# Altium PCB PCB1.PcbDoc
Units mil, origin at the board's own origin, x right, y up, seen from the top; angles counter-clockwise.
Board outline 3220 x 2380 mil, 2 copper layers (Top Layer, Bottom Layer); 61 components, 39 nets, 231 pads, 61 vias.
Unrouted connection lines stored in the file: 2.
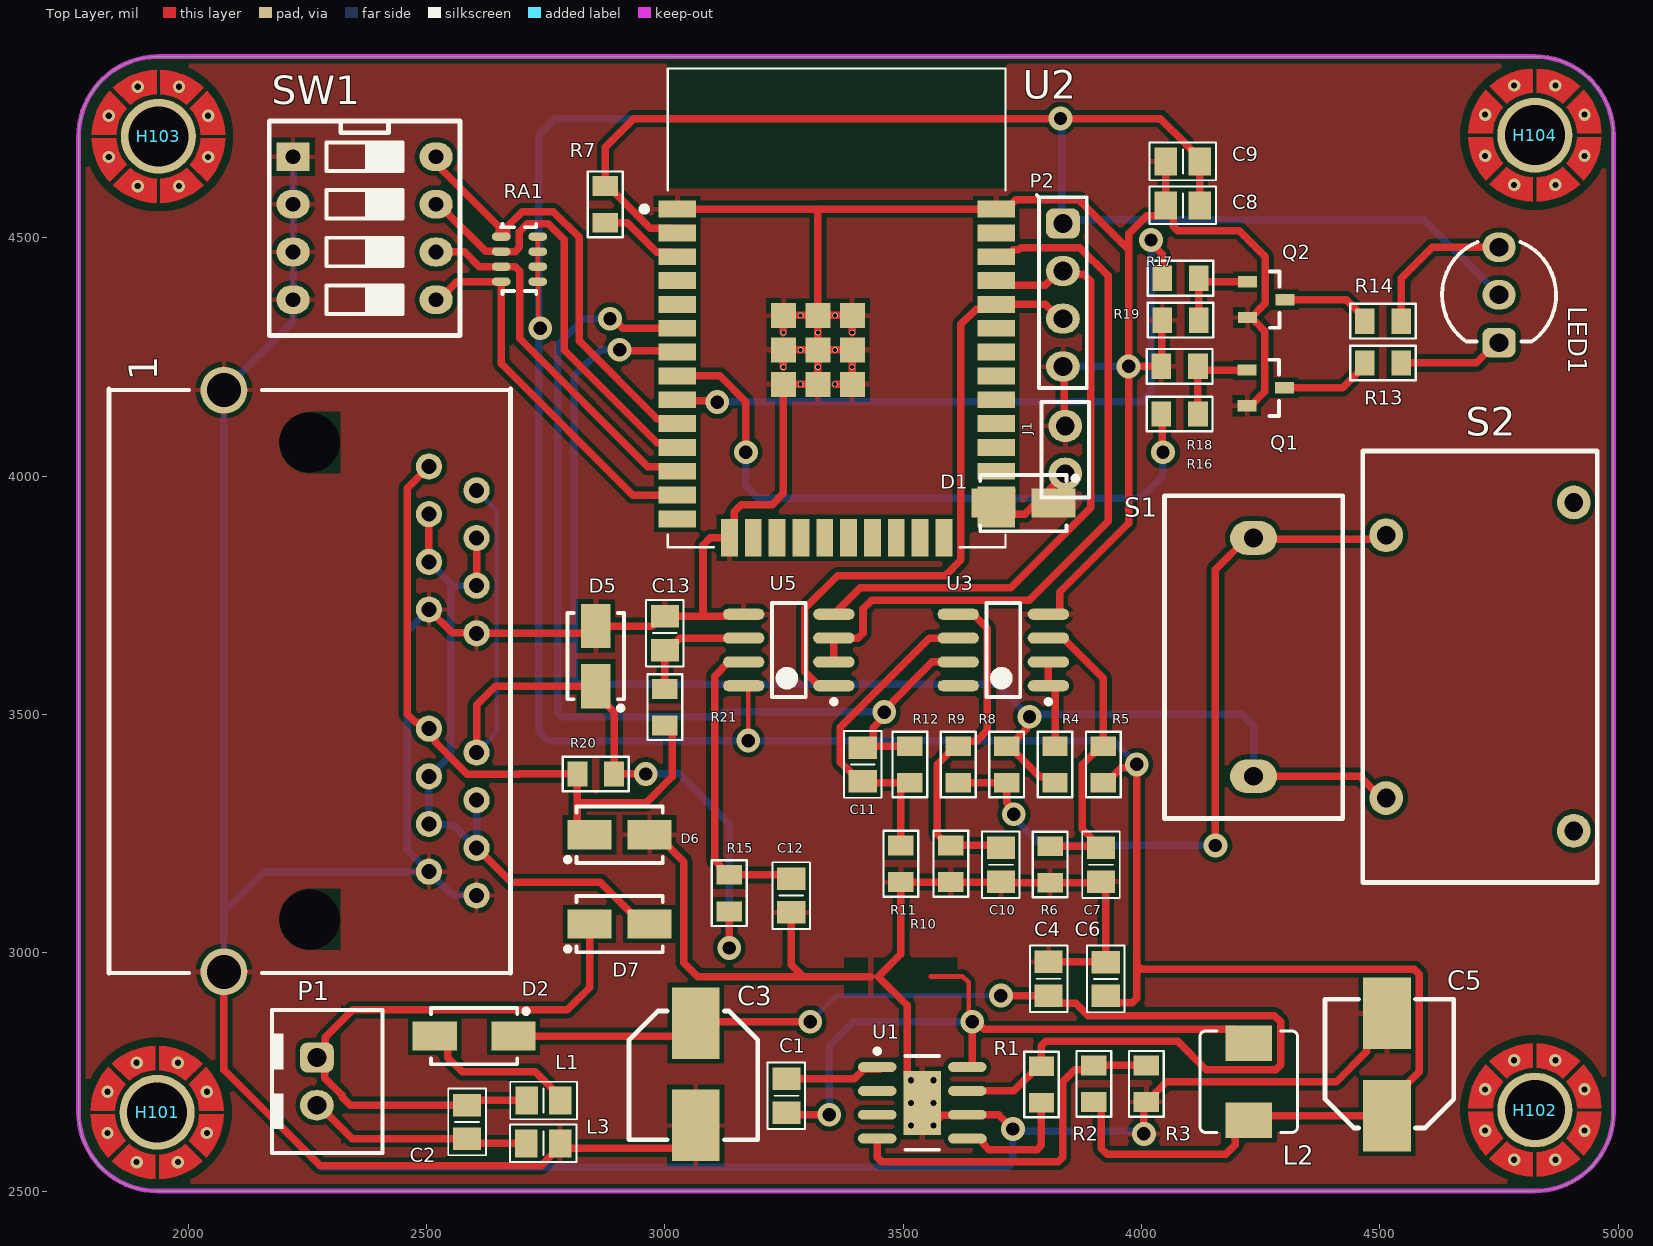
[diagram p0: Top Layer view]
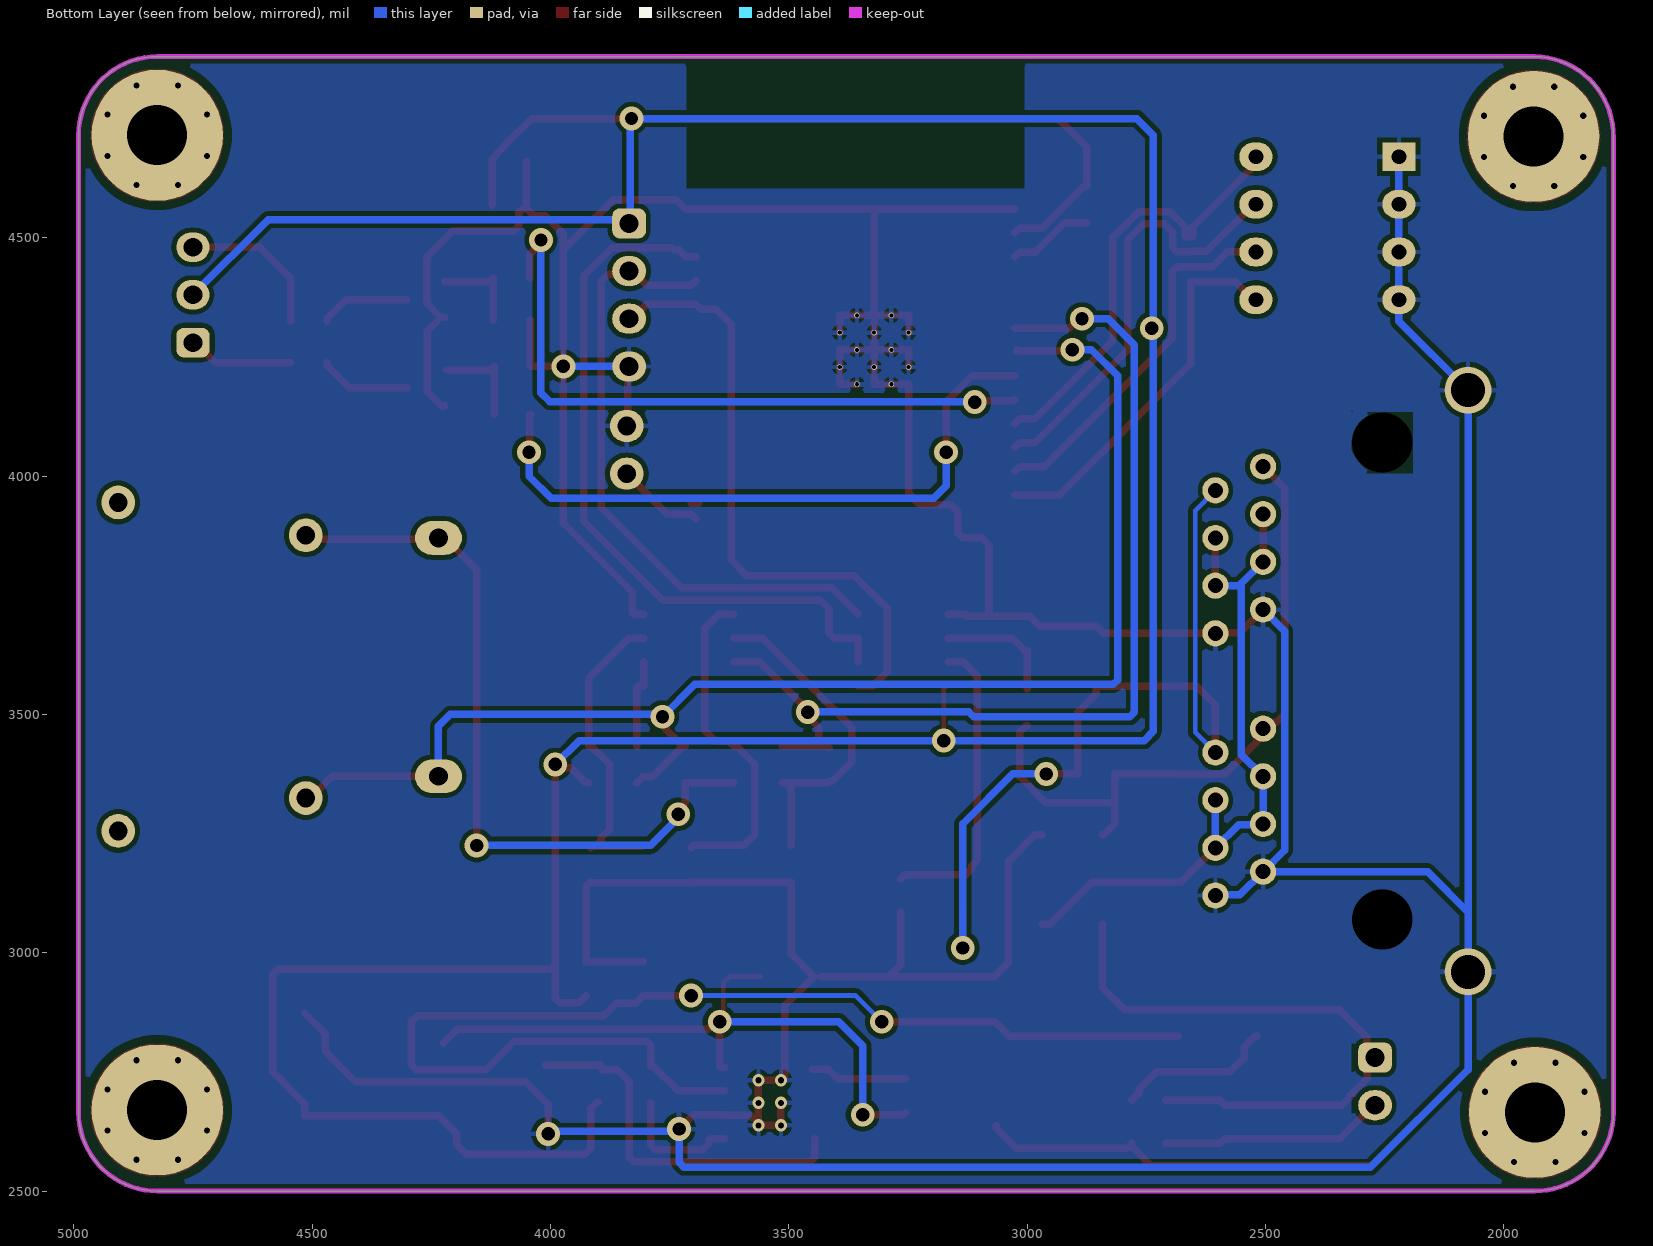
[diagram p1: Bottom Layer view, seen from below]

## Layer stack, top to bottom
Top Solder: solder mask 0.4, Solder Resist, Dk 3.5
Top Layer: signal copper 0.3543
Dielectric 1: dielectric 12.6, FR-4, Dk 4.8
Bottom Layer: signal copper 0.3543
Bottom Solder: solder mask 0.4, Solder Resist, Dk 3.5

## Board outline
1770,2665 1770,4710 cw(c1937.5,4712.5) 1935,4880 4825,4880 cw(c4825,4715) 4990,4715 4990,2665 cw(c4825,2665) 4825,2500 1935,2500 cw(c1935,2665)

## Design rules (kind name [scope] priority, off if disabled: settings)
Clearance [All] p1: gap=10 ignorepadtopadclearanceinfootprint=FALSE except(0: Arc-Hole Track-Hole SMDPad-Hole THPad-Hole Via-Hole Fill-Hole Poly-Hole Region-Hole Text-Hole)
ComponentClearance [InComponent('H*') OR InComponent('S1')] p1: gap=0 collisioncheckmode=3 verticalgap=0 showdistances=FALSE
Height [All] p1: minheight=0 maxheight=1181.1 prefheight=500
HoleSize [All] p1: absolutevalues=TRUE maxlimit=150 minlimit=1 maxpercent=80.000 minpercent=20.000
MinimumSolderMaskSliver [All] p1: minsoldermaskwidth=5
PolygonConnect [All] p1: connectstyle=Relief reliefconductorwidth=10 reliefentries=4 polygonreliefangle="90 Angle" airgapwidth=10
RoutingVias [All] p1: holewidth=28 width=50 viastyle="Through Hole" minholewidth=28 minwidth=50 maxholewidth=28 maxwidth=50
SilkToSolderMaskClearance [IsPad] p1: minsilkscreentomaskgap=5 clearancetoexposedcopper=TRUE
SolderMaskExpansion [All] p1: expansion=4 istentingtop=FALSE
SupplyNets "Schematic Supply Nets_5" [InNet('PGND')] p1: voltage=0.000
SupplyNets "Schematic Supply Nets_4" [InNet('VIN')] p2: voltage=0.000
SupplyNets "Schematic Supply Nets_3" [InNet('RS485_5V')] p3: voltage=0.000
SupplyNets "Schematic Supply Nets_2" [InNet('GND')] p4: voltage=0.000
SupplyNets "Schematic Supply Nets_1" [InNet('3V3')] p5: voltage=0.000
SupplyNets "Schematic Supply Nets" [InNet('VIN_FIL')] p6: voltage=0.000
Width [All] p1: maxlimit=78.74 minlimit=7.87 preferedwidth=15.75 minimp=50.000000 maximp=50.000000 favimp=50.000000
25 further rules are at their usual default settings.

## Components (designator, comment, footprint, x,y, rotation, side; value= is the part's Value field where it differs from the comment)
1 "RJ45 x2" CONN/RJ45/x2 2255,3570 r270 top
C1 "10nF" "C 0805" 3255,2700 r270 top
C2 "1uF" "C 0805" 2585,2645 r270 top
C3 "100uF/35V" "C SMD ALU (D8)" 3065,2745 r270 top
C4 "0.1uF" "C 0805" 3805,2945.43 r90 top
C5 "220uF/16V" "C SMD ALU (D8)" 4515,2765 r90 top
C6 "C" "C 0805" 3925,2945 r90 top
C7 "C" "C 0805" 3915,3184.57 r270 top
C8 "0.1uF" "C 0805" 4086.61,4567.75 r180 top
C9 "22uF" "C 0805" 4086.61,4660 r180 top
C10 "100pF" "C 0805" 3705,3184.57 r270 top
C11 "100pF" "C 0805" 3415,3395 r90 top
C12 "N/A" "C 0805" 3265,3120 r90 top
C13 "N/A" "C 0805" 3000,3670.43 r90 top
D1 "SS34" "DO-214AC (SMA)" 3752.24,3943.02 r0 top
D2 "SS34" "DO-214AC (SMA) L" 2600,2825 r0 top
D5 "" "DO-214AC (SMA)" 2855,3622.01 r270 top
D6 "Diode Zener" "DO-214AC (SMA)" 2905,3247.5 r180 top
D7 "SS14" "DO-214AC (SMA)" 2905,3060 r180 top
H101 "Screw Hole" SCREW/3.2/7.0/M 1935,2665 r0 top
H102 "Screw Hole" SCREW/3.2/7.0/M 4825,2670 r0 top
H103 "Screw Hole" SCREW/3.2/7.0/M 1937.5,4712.5 r0 top
H104 "Screw Hole" SCREW/3.2/7.0/M 4825,4715 r0 top
J1 "JUMP 2" JUMP/2/Close 3840,4105 r270 top
L1 "FB" "L 0805 (2012)" 2745.43,2690 r0 top
L2 "15uH" IND_MWSA0518_525418 4225,2729.29 r270 top
L3 "FB" "L 0805 (2012)" 2745,2600 r0 top
LED1 "Led 3pin 2color" "LED 3PIN 2COLOR 5MM" 4750,4280 r270 top
P1 "Header 2" HDR/Header/2/BOX 2270,2730 r0 top
P2 "Header 4" HDR/Header/4 3835,4380 r270 top
Q1 "MMBT3904LT1G" SOT-23 4260.63,4185 r0 top
Q2 "MMBT3904LT1G" SOT-23 4261.61,4370 r0 top
R1 "N/A" "R 0805" 3790,2723.39 r270 top
R2 "10.0k" "R 0805" 3900,2725 r270 top
R3 "5.9k" "R 0805" 4010,2725 r90 top
R4 "1k" "R 0805" 3818.52,3395 r90 top
R5 "1k" "R 0805" 3920,3395 r270 top
R6 "1k" "R 0805" 3808.18,3185 r90 top
R7 "10k" "R 0805" 2875,4570 r90 top
R8 "100" "R 0805" 3717.03,3395 r270 top
R9 "1k" "R 0805" 3615.55,3395 r90 top
R10 "1k" "R 0805" 3600,3186.61 r270 top
R11 "1k" "R 0805" 3495,3186.61 r270 top
R12 "1k" "R 0805" 3514.06,3395 r270 top
R13 "330R" "R 0805" 4506.61,4237.15 r180 top
R14 "330R" "R 0805" 4506.61,4325 r180 top
R15 "10" "R 0805" 3135,3125 r270 top
R16 "330R" "R 0805" 4080,4130 r0 top
R17 "330R" "R 0805" 4081.61,4415 r0 top
R18 "330R" "R 0805" 4080,4230 r180 top
R19 "330R" "R 0805" 4081.61,4327.15 r180 top
R20 "120" "R 0805" 2855,3375 r0 top
R21 "10" "R 0805" 3000,3515 r270 top
RA1 "R Array" "RA4 1206 (3216)" 2695,4455 r0 top
S1 "TA12" TA12 4235,3620 r270 top
S2 "TA17" TA17 4710,3600 r270 top
SW1 "SW DIP-4" SW/DIP4 2220,4670 r270 top
U1 "TPS54xx" "SOIC-8 EP" 3540,2685 r0 top
U2 "ESP32-WROOM-32" MODULE_ESP32-WROOM-32 3360.35,4352.91 r0 top
U3 "LM358" SOIC-8 3710,3635 r180 top
U5 "MAX3485" SOIC-8 3260,3635 r180 top

## Footprints (in the part's own frame and the unit in brackets; to place one, negate y for a bottom-side part, rotate by r counter-clockwise, add the part's x,y. Pads: shape width x height; smd on the part's side, far side on the other; paste and mask are expansions set on the pad)
"C 0805" [mm] "Chip Capacitor, 2-Leads, Body 2.0x1.3mm, IPC Medium Density"
  rect 1.2x1.5 smd: 1(-0.9,0) 2(0.9,0)
  silkscreen extent -1.78,-1 1.78,1, body extent -1,-0.64 1,0.61, height 0.6
"C SMD ALU (D8)" [mil] "SMD Aluminum Electrolytic Capacitor, size D8 (6.3 x 7.7 mm)"
  rect 150x100 smd: 1(-107.5,0) 2(107.5,0)
  silkscreen extent -132,-140 138,130, body extent -138,-135 138,125, height 303
CONN/RJ45/x2 [mm]
  round 1.4 hole 0.8: 1(-11.43,6.35) 2(-10.16,8.89) 3(-8.89,6.35) 4(-7.62,8.89) 5(-6.35,6.35) 6(-5.08,8.89) 7(-3.81,6.35) 8(-2.54,8.89) 11(2.54,6.35) 12(3.81,8.89) 13(5.08,6.35) 14(6.35,8.89) 15(7.62,6.35) 16(8.89,8.89) 17(10.16,6.35) 18(11.43,8.89)
  round 2.5 hole 1.8: 9(-15.5,-4.57) 10(15.5,-4.57)
  round 0 hole 3.2 unplated: HOLE(-12.7,0) HOLE(12.7,0)
  silkscreen extent -15.56,-10.7 15.56,10.7, body extent -15.5,-10.7 15.56,10.7, height 13.46
"DO-214AC (SMA)" [mm] "Molded Diode, 2-Leads, Body 4.3x2.7mm, IPC Medium Density"
  rect 2.35x1.55 smd: 1(-1.6,0) 2(1.6,0)
  silkscreen extent -2.3,-1.5 2.89,1.5, body extent -2.6,-1.3 2.6,1.3, height 2.4
"DO-214AC (SMA) L" [mm] "Molded Diode, 2-Leads, Body 4.3x2.7mm, IPC Medium Density"
  rect 2.35x1.55 smd: 1(-2.1,0) 2(2.1,0)
  silkscreen extent -2.3,-1.5 2.89,1.5, body extent -2.6,-1.3 2.6,1.3, height 2.4
HDR/Header/2/BOX [mm]
  rrect50% 1.8x1.6 hole 1: 1(0,1.27)
  oval 1.8x1.6 hole 1: 2(0,-1.27)
  silkscreen extent -2.41,-3.81 3.5,3.81, body extent -2.35,-3.7 3.4,3.7, height 7
HDR/Header/4 [mm]
  rrect50% 1.6x1.8 hole 1: 1(-3.81,0)
  oval 1.6x1.8 hole 1: 2(-1.27,0) 3(1.27,0) 4(3.81,0)
  silkscreen extent -5.33,-1.4 4.95,1.27, body extent -5.08,-1.27 5.08,1.27, height 8.89
IND_MWSA0518_525418 [mm]
  rect 1.9x2.5 smd paste+0 mask+0: 1(-2.05,0) 2(2.05,0)
  Top Layer pour cut-out: -2.7,2.6 2.7,2.6 2.7,-2.6 -2.7,-2.6
  silkscreen extent -2.7,-2.6 2.7,2.6, body extent -2.7,-2.6 2.7,2.6, height 1.8
JUMP/2/Close [mm]
  oval 1.7x1.8 hole 1: 1(0,0) 2(2.54,0)
  silkscreen extent -1.27,-1.27 3.81,1.27, body extent -1.27,-1.27 3.81,1.27, height 8.89
"L 0805 (2012)" [mm] "Chip Capacitor, 2-Leads, Body 2.0x1.3mm, IPC Medium Density"
  rect 1.2x1.5 smd: 1(-0.9,0) 2(0.9,0)
  silkscreen extent -1.78,-1 1.78,1, body extent -1,-0.6 1,0.6, height 0.95
"LED 3PIN 2COLOR 5MM" [mil]
  rrect50% 62x70 hole 39: 1(0,0)
  oval 62x70 hole 39: 2(-100,0) 3(-200,0)
  silkscreen extent -211,-120 -2,120, body extent -218,-118 -2,118, height 335
MODULE_ESP32-WROOM-32 [mm]
  rect 2x0.9 smd: 1(-8.5,5.26) 2(-8.5,3.99) 3(-8.5,2.72) 4(-8.5,1.45) 5(-8.5,0.18) 6(-8.5,-1.09) 7(-8.5,-2.36) 8(-8.5,-3.63) 9(-8.5,-4.9) 10(-8.5,-6.17) 11(-8.5,-7.44) 12(-8.5,-8.71) 13(-8.5,-9.98) 14(-8.5,-11.25) 25(8.5,-11.25) 26(8.5,-9.98) 27(8.5,-8.71) 28(8.5,-7.44) 29(8.5,-6.17) 30(8.5,-4.9) 31(8.5,-3.63) 32(8.5,-2.36) 33(8.5,-1.09) 34(8.5,0.18) 35(8.5,1.45) 36(8.5,2.72) 37(8.5,3.99) 38(8.5,5.26)
  rect 0.9x2 smd: 15(-5.715,-12.25) 16(-4.445,-12.25) 17(-3.175,-12.25) 18(-1.905,-12.25) 19(-0.635,-12.25) 20(0.635,-12.25) 21(1.905,-12.25) 22(3.175,-12.25) 23(4.445,-12.25) 24(5.715,-12.25)
  rect 1.33x1.33 smd: 39(-2.835,-4.075) 39(-2.835,-2.24) 39(-2.835,-0.405) 39(-1,-4.075) 39(-1,-2.24) 39(-1,-0.405) 39(0.835,-4.075) 39(0.835,-2.24) 39(0.835,-0.405)
  round 0.3 hole 0.221: 39(-2.835,-3.157) 39(-2.835,-1.322) 39(-1.917,-4.075) 39(-1.917,-2.24) 39(-1.917,-0.405) 39(-1,-3.157) 39(-1,-1.322) 39(-0.082,-4.075) 39(-0.082,-2.24) 39(-0.082,-0.405) 39(0.835,-3.157) 39(0.835,-1.322)
  Top Layer pour cut-out: -9.017,12.827 -9.017,6.35 9.017,6.35 9.017,12.827
  Bottom Layer pour cut-out: -9.017,12.827 -9.017,6.35 9.017,6.35 9.017,12.827
  silkscreen extent -10.4,-12.75 9,12.75, body extent -9,-12.75 9,12.75, height 2.91
"R 0805" [mm] "Chip Resistor, 2-Leads, Body 2.0x1.3mm, IPC Medium Density"
  rect 1.05x1.35 smd: 1(-0.975,0) 2(0.975,0)
  silkscreen extent -1.75,-0.92 1.75,0.92, body extent -1,-0.61 1,0.59, height 0.5
"RA4 1206 (3216)" [mm] "Resistor Array x4 1206 (4D03)"
  oval 1x0.45 smd: 1(-0.975,1.2) 2(-0.975,0.4) 3(-0.975,-0.4) 4(-0.975,-1.2) 5(0.975,-1.2) 6(0.975,-0.4) 7(0.975,0.4) 8(0.975,1.2)
  silkscreen extent -0.99,-1.88 0.9,1.88, body extent -0.8,-1.6 0.8,1.6, height 0.5
SCREW/3.2/7.0/M [mm]
  round 4 / inner round 7 / far side round 7 hole 3.2: 1(0,0)
  Top Layer pour cut-out: -4,0 -3.696,1.531 -2.828,2.828 -1.531,3.695 0,4 0,4 1.531,3.695 2.828,2.828 3.695,1.531 4,0 4,0 3.696,-1.531 2.828,-2.828 1.531,-3.696 0,-4 0,-4 -1.531,-3.696 -2.828,-2.828 -3.696,-1.531 -4,0
  Top Layer region: -0.1,-2.25 -0.325,-2.225 -0.575,-2.175 -0.8,-2.1 -0.975,-2.025 -1.125,-1.95 -1.25,-1.875 -1.375,-1.775 -1.5,-1.675 -2.425,-2.6 -2.225,-2.775 -2.025,-2.925 -1.825,-3.05 -1.6,-3.175 -1.375,-3.275 -1.175,-3.35 -0.95,-3.425 -0.725,-3.475 -0.6,-3.5 -0.45,-3.525 -0.1,-3.55
  Top Layer region: 0.1,-2.25 0.325,-2.225 0.575,-2.175 0.8,-2.1 0.975,-2.025 1.125,-1.95 1.25,-1.875 1.375,-1.775 1.5,-1.675 2.425,-2.6 2.225,-2.775 2.025,-2.925 1.825,-3.05 1.6,-3.175 1.375,-3.275 1.175,-3.35 0.95,-3.425 0.725,-3.475 0.6,-3.5 0.45,-3.525 0.1,-3.55
  Top Layer region: 2.25,0.1 2.225,0.325 2.175,0.575 2.1,0.8 2.025,0.975 1.95,1.125 1.875,1.25 1.775,1.375 1.675,1.5 2.6,2.425 2.775,2.225 2.925,2.025 3.05,1.825 3.175,1.6 3.275,1.375 3.35,1.175 3.425,0.95 3.475,0.725 3.5,0.6 3.525,0.45 3.55,0.1
  Top Layer region: 2.25,-0.1 2.225,-0.325 2.175,-0.575 2.1,-0.8 2.025,-0.975 1.95,-1.125 1.875,-1.25 1.775,-1.375 1.675,-1.5 2.6,-2.425 2.775,-2.225 2.925,-2.025 3.05,-1.825 3.175,-1.6 3.275,-1.375 3.35,-1.175 3.425,-0.95 3.475,-0.725 3.5,-0.6 3.525,-0.45 3.55,-0.1
  Top Layer region: 0.1,2.25 0.325,2.225 0.575,2.175 0.8,2.1 0.975,2.025 1.125,1.95 1.25,1.875 1.375,1.775 1.5,1.675 2.425,2.6 2.225,2.775 2.025,2.925 1.825,3.05 1.6,3.175 1.375,3.275 1.175,3.35 0.95,3.425 0.725,3.475 0.6,3.5 0.45,3.525 0.1,3.55
  Top Layer region: -0.1,2.25 -0.325,2.225 -0.575,2.175 -0.8,2.1 -0.975,2.025 -1.125,1.95 -1.25,1.875 -1.375,1.775 -1.5,1.675 -2.425,2.6 -2.225,2.775 -2.025,2.925 -1.825,3.05 -1.6,3.175 -1.375,3.275 -1.175,3.35 -0.95,3.425 -0.725,3.475 -0.6,3.5 -0.45,3.525 -0.1,3.55
  Top Layer region: -2.25,-0.1 -2.225,-0.325 -2.175,-0.575 -2.1,-0.8 -2.025,-0.975 -1.95,-1.125 -1.875,-1.25 -1.775,-1.375 -1.675,-1.5 -2.6,-2.425 -2.775,-2.225 -2.925,-2.025 -3.05,-1.825 -3.175,-1.6 -3.275,-1.375 -3.35,-1.175 -3.425,-0.95 -3.475,-0.725 -3.5,-0.6 -3.525,-0.45 -3.55,-0.1
  Top Layer region: -2.25,0.1 -2.225,0.325 -2.175,0.575 -2.1,0.8 -2.025,0.975 -1.95,1.125 -1.875,1.25 -1.775,1.375 -1.675,1.5 -2.6,2.425 -2.775,2.225 -2.925,2.025 -3.05,1.825 -3.175,1.6 -3.275,1.375 -3.35,1.175 -3.425,0.95 -3.475,0.725 -3.5,0.6 -3.525,0.45 -3.55,0.1
  Bottom Layer pour cut-out: -4,0 -3.696,1.531 -2.828,2.828 -1.531,3.695 0,4 0,4 1.531,3.695 2.828,2.828 3.695,1.531 4,0 4,0 3.696,-1.531 2.828,-2.828 1.531,-3.696 0,-4 0,-4 -1.531,-3.696 -2.828,-2.828 -3.696,-1.531 -4,0
SOIC-8 [mm] "SOIC, 8-Leads, Body 5.0x4.0mm (max), Pitch 1.27mm, IPC Medium Density"
  oval 2.2x0.6 smd: 1(-2.4,1.905) 2(-2.4,0.635) 3(-2.4,-0.635) 4(-2.4,-1.905) 5(2.4,-1.905) 6(2.4,-0.635) 7(2.4,0.635) 8(2.4,1.905)
  silkscreen extent -2.53,-2.5 0.9,2.88, body extent -3,-2.49 3,2.41, height 1.75
"SOIC-8 EP" [mm] "SOIC, 8-Leads, Body 5.0x4.0mm (max), Pitch 1.27mm, IPC Medium Density"
  oval 2.048x0.524 smd: 1(-2.4,1.905) 2(-2.4,0.635) 3(-2.4,-0.635) 4(-2.4,-1.905) 5(2.4,-1.905) 6(2.4,-0.635) 7(2.4,0.635) 8(2.4,1.905)
  rect 2x3.4 smd: 9(0,0)
  silkscreen extent -2.52,-2.5 0.9,2.88, body extent -3,-2.49 3,2.41, height 1.75
SOT-23 [mm] "SOT23, 3-Leads, Body 3.0x2.5mm (max), Pitch 0.95mm, IPC Medium Density"
  rect 1x0.6 smd: 1(-1,0.95) 2(-1,-0.95) 3(1,0)
  silkscreen extent 0.2,-1.5 0.7,1.5, body extent -1.28,-1.46 1.27,1.46, height 0.95
SW/DIP4 [mil]
  rect 60x70 hole 31: 1(0,0)
  oval 60x70 hole 31: 2(100,0) 3(200,0) 4(300,0) 5(300,300) 6(200,300) 7(100,300) 8(0,300)
  silkscreen extent -75,-50 375,350, body extent -50,0 350,300, height 165
TA12 [mm]
  oval 1.8x2.5 hole 1: 1(-6.35,0) 2(6.35,0)
  silkscreen extent -8.6,-4.75 8.6,4.75, body extent -8.6,-4.75 8.6,4.75, height 20.4
TA17 [mm]
  round 1.8 hole 1: 1(-7,-5) 2(7,-5) 3(8.75,5) 4(-8.75,5)
  silkscreen extent -11.5,-6.25 11.5,6.25, body extent -11.5,-6.25 11.5,6.25, height 26

## Part data
1: library part "CON RJ45 x2", "Connector RJ45 X2"
C1 C2 C4 C6 C7 C8 C9 C10 C11 C12 C13: library part "Capacitor NP", "Capacitor non-pol"
C3 C5: library part Capacitor, "Capacitor pol"
D1: library part "Diode Schottky", "Schottky Diode"
D2 D7: library part Diode, "Default Diode"
D5: library part "Diode Zener", "Zener Diode"
D6: "Zener Diode"
L1 L2 L3: library part Inductor, "Inductor"
LED1: "Typical LED 3-pin 2-color"
P1: "Header, 2-Pin"
P2: "Header, 4-Pin"
Q1 Q2: library part "Transistor NPN", "NPN Bipolar Transistor"
R1 R2 R3 R4 R5 R6 R7 R8 R9 R10 R11 R12 R13 R14 R15 R16 R17 R18 R19 R20 R21: library part Resistor, "Resistor"
RA1: library part "Resistor Array 4", "Resistor Array 4"
U1: "3/5A, Wide input range, Step-down SWIFT DC-DC Converter"
U2: "Bluetooth, WiFi 802.11b/g/n, Bluetooth v4.2 + EDR, Class 1, 2 and 3 Transceiver Module 2.4GHz ~ 2.5GHz Integrated, Trace Surface Mount", PACKAGE="Module Espressif Systems", Availability=Unavailable, MF="Espressif Systems", MP=ESP32-WROOM-32D, Price=None, SnapEDA_Link=https://www.snapeda.com/parts/ESP32-WROOM-32D/Espressif%20Systems/view-part/2768115/?ref=snap
U3: "Low Power Dual Operational Amplifiers"
U5: library part MAX485, "Low-Power, Slew-Rate-Limited  RS-485/RS-422 Transceivers"
H101 H102 H103 H104: TYPE=NO-BOM, UNIT PRICE=0

## Via types
v1: diameter 25.98, hole 12.99, Top Layer to Bottom Layer, 38 vias
v2: diameter 50, hole 28, Top Layer to Bottom Layer, 23 vias

## Nets (pads, with @x,y where several pads share a name; then routed paths per layer and width w, separated by ;. In a path a pad name is that pad's centre, name@x,y a point inside that pad or via, vN(x,y) a via of type N, cw(c..) or ccw(c..) an arc to the next point about the centre after c; other vN are vias at no path point)
3V3: C5.1 C6.1 C8.1 C9.1 L2.2 LED1.2 P2.1 R2.2 R5.2 R7.2 RA1.5 RA1.6 RA1.7 RA1.8 U2.2 U5.8 | length 9180
  Top Layer w10: RA1.8 RA1.7 RA1.6 RA1.5 2734.19,4406.95 2734.19,4314.51 v2(2738.7,4310) ; U5.8 3168.71,3560 3175,3553.71 v2(3175,3445)
  Top Layer w15.75: U2.2 3015.87,4519.84 2969.45,4519.84 2880.91,4608.39 R7.2 2875,4690 2935,4750 v2(3830,4750) 4039.61,4750 4093.34,4696.27 4093.34,4694.61 4122.05,4665.91 C9.1 C8.1 ; R2.2 3902.2,2686.61 3915,2673.82 3915,2590 3927.87,2577.13 4177.13,2577.13 4196.78,2596.78 4196.78,2620.37 4233.92,2657.5 C5.1 4515,2682.5 4582.87,2750.37 4582.87,2954.9 4572.4,2965.37 3999.23,2965.37 3990,2974.6 ; R5.2 3925.91,3356.61 3957.74,3388.45 3983.45,3388.45 v2(3990,3395) 3990,2974.6 ; C6.1 3939.57,2895 3980.78,2895 3990,2904.22 3990,2974.6
  Bottom Layer w15.75: v2@2735,4310 2735,4715 2770,4750 v2(3830,4750) 3832.5,4747.5 3832.5,4532.5 P2.1 3842.87,4537.87 4592.13,4537.87 LED1.2 ; v2(2738.7,4310) 2735,4306.3 2735,3464.22 2754.23,3445 3940,3445 v2(3990,3395)
ADC1_CH6: C11.2 R12.1 U2.6 U3.7 | length 2130
  Top Layer w15.75: v2(2885,4330) 2891.35,4330 2911.35,4310 U2.6 ; C11.2 3417.95,3433.39 C11.2@3423.86,3433.39 ; v2@3460,3508.86 3561.14,3610 U3.7 ; v2(3460.32,3504.68) 3460.32,3496.05 3436.65,3472.39 3436.65,3446.18 C11.2@3423.86,3433.39 ; R12.1 3430,3433.39 C11.2@3423.86,3433.39
  Bottom Layer w15.75: v2(2885,4330) 2830,4330 2775,4275 2775,3504.22 2784.23,3495 3112.48,3495 3122.48,3505 3460,3505 v2(3460.32,3504.68)
ADC1_CH7: R4.1 R8.1 S1.2 S2.2 U2.7 | length 2968.4
  Top Layer w10: U2.7@3020.71,4265 U2.7
  Top Layer w15.75: v2(2905,4265) 2907.5,4262.5 3018.21,4262.5 U2.7@3020.71,4265 ; R8.1 R8.1@3722.94,3433.39 ; v2(3765,3495) 3758.45,3488.45 3758.45,3468.9 R8.1@3722.94,3433.39 ; R4.1 3805.72,3369.41 3786.91,3369.41 R8.1@3722.94,3433.39 ; S1.2 4457.56,3370 S2.2@4513.15,3314.41
  Bottom Layer w15.75: v2(2905,4265) 2865,4265 2810,4210 2810,3572.1 2819.23,3562.87 3697.13,3562.87 v2(3765,3495) 3770,3500 4210,3500 4235,3475 S1.2
GND: 1.7 1.8 1.9 1.10 1.17 1.18 C3.2 C4.2 C5.2 C6.2 C7.2 C8.2 C9.2 C10.2 C12.1 C13.2 D1.1 D5.1 D6.1 J1.1 L3.2 P2.4 Q1.2 Q2.2 R3.1 R6.1 R10.2 R11.2 R18.2 R19.2 SW1.1 SW1.2 SW1.3 SW1.4 U1.6 U1.9 U2.1 U2.15 U2.38 U2.39 U3.4 U5.5 | length 15131.7
  Top Layer w10: Q2.2@4230.12,4332.6 Q2.2@4239.61,4323.11
  Top Layer w15.75: 1.10 2075.08,2754.92 2277.4,2552.6 2740.59,2552.6 2751.06,2563.07 2751.06,2564.72 2780.43,2594.09 L3.2 2790.43,2590 3022.87,2590 3065,2632.13 C3.2 ; 1.7 2553.82,3671.18 2603.82,3671.18 1.8 2840,3670 D5.1 2973.23,3685 2994.1,3705.87 C13.2 3080,3705.87 ; D6.1 2983.74,3247.5 3040,3191.24 3040,2979.37 3069.37,2950 3290,2950 ; U2.1 3320,4560 ; U5.5@3127.75,3710 U5.5 ; U5.5@3131.89,3710 3127.75,3705.87 3080,3705.87 ; U2.39@3248.74,4228.6 3248.74,4264.72 3284.86,4264.72 U2.39@3320.98,4264.72 ; U2.39@3248.74,4300.85 3248.74,4336.97 3284.86,4336.97 U2.39@3320.98,4336.97 ; C12.1 3265,2975 3290,2950 ; U2.39@3357.11,4192.48 3393.23,4192.48 3393.23,4228.6 3393.23,4264.72 3357.11,4264.72 U2.39@3320.98,4264.72 ; U2.39@3393.23,4300.85 3393.23,4336.97 3357.11,4336.97 U2.39@3320.98,4336.97 ; 3432.01,2950 3290,2950 ; v1(3516.38,2685) v1(3516.38,2637.76) v1(3563.62,2637.76) U1.9@3563.62,2646.26 ; D1.1 D1.1@3705,3943.02 ; v2(3730,2630) 3699.95,2660 U1.6 3632.98,2658.49 3580.77,2658.49 3576.41,2654.13 3571.5,2654.13 U1.9@3563.62,2646.26 ; U3.4 3824.47,3710 3828.11,3713.64 3828.11,3756.7 3972.87,3901.46 v2(3972.87,4230) ; C4.2 3924.57,2980.87 C6.2 3925,3139.13 C7.2 3912.48,3146.61 R6.1 3707.52,3146.61 C10.2 3704.09,3148.23 R10.2 R11.2 3495,2997.24 3447.76,2950 3508.5,2889.25 3508.5,2740.12 v1(3516.38,2732.24) v1(3563.62,2732.24) v1(3563.62,2685) U1.9@3563.62,2646.26 ; P2.4 3837.5,4227.5 3837.5,4107.5 J1.1 ; v2(4005,2620) 4005,2681.61 R3.1 4052.36,2728.98 4408.98,2728.98 4472.87,2792.87 4472.87,2830.37 C5.2 ; R19.2 4042.42,4326.35 4042.42,4230.81 R18.2 v2(3972.87,4230) ; C9.2 C8.2 ; Q1.2 4229.13,4147.6 4258.82,4177.28 4258.82,4303.9 Q2.2@4239.61,4323.11 ; Q2.2 4230.12,4332.6 4259.8,4362.28 4259.8,4460.2 4205,4515 4076.15,4515 4066.93,4524.23 4066.93,4552 C8.2 ; 3080,3705.87 3080,3855 3095.63,3870.63 U2.15 3145.2,3880.47 3145.2,3925.2 3160,3940 3225,3940 3248.74,3963.74 3248.74,4192.48 3284.86,4192.48 3320.98,4192.48 3320.98,4228.6 U2.39@3320.98,4264.72 ; 3320,4560 3716.65,4560 3726.5,4569.84 3726.5,4570.15 3735.72,4579.37 3868.61,4579.37 3972.87,4475.11 ; 3320,4560 3320.98,4559.02 U2.39@3320.98,4336.97 ; U2.39@3320.98,4264.72 3320.98,4300.85 U2.39@3320.98,4336.97 ; v2(3972.87,4230) 3972.87,4475.11 ; 3972.87,4475.11 3972.87,4508.51 4010.46,4546.09 4035.43,4546.09 4051.18,4561.84 C8.2
  Bottom Layer w10: 1.10@2089.94,3000.38 1.10@2090.18,3000.61 ; 1.8@2600.23,3674.77 1.8
  Bottom Layer w15.75: SW1.1 SW1.2 SW1.3 SW1.4 2220,4325.16 1.9 2075.08,3085.08 ; 1.7 2459.57,3674.57 2459.57,3215.43 1.17 ; 1.18 2603.82,3121.18 2553.82,3121.18 1.17 ; P2.4 v2(3972.87,4230) ; v2(4005,2620) 4000,2625 3735,2625 v2(3730,2630) 3730,2560 3720,2550 2280,2550 2075.08,2754.92 1.10 2075.08,3085.08 ; 2075.08,3085.08 2160,3170 1.17
LED0: R16.1 U2.8 | length 1379
  Top Layer w15.75: U2.8 3115.63,4210 3170,4155.63 v2(3170,4050) ; R16.1 4043.31,4128.31 4043.31,4051.69 v2(4045,4050)
  Bottom Layer w15.75: v2(3170,4050) 3170,3980 3196.34,3953.66 3998.66,3953.66 4045,4000 v2(4045,4050)
LED1: R17.1 U2.9 | length 1414.3
  Top Layer w15.75: U2.9 3028.21,4157.5 3107.5,4157.5 v2(3110,4155) ; v2(4020,4495) 4020,4488.42 4043.23,4465.2 R17.1
  Bottom Layer w15.75: v2(3110,4155) 3111.34,4156.34 4001.34,4156.34 4020,4175 v2(4020,4495)
NetC1_1: C1.1 U1.1 | length 203.6
  Top Layer w15.75: C1.1 3397.32,2735.43 3416.89,2755 U1.1@3450.51,2755
NetC1_2: C1.2 D1.2 L2.1 U1.8 | length 1430.7
  Top Layer w10: 3557.99,2950 3625,2950 3637.35,2937.65 3637.35,2862.65 v2(3645,2855)
  Top Layer w15.75: C1.2 3259.57,2660 v2(3345,2660) ; U1.8 3642.75,2760 3645,2762.25 v2(3645,2855) 3654.27,2855 3669.74,2839.53 4195.47,2839.53 L2.1
  Bottom Layer w15.75: v2(3345,2660) 3345,2805 3395,2855 v2(3645,2855)
NetC7_1: C7.1 R5.1 R6.2 U3.3 | length 645.5
  Top Layer w15.75: U3.3 3835.98,3660 3920,3575.98 R5.1 3914.09,3433.39 3875.55,3394.84 3875.55,3259.45 3893.35,3241.65 3893.35,3235.75 C7.1@3905.71,3223.39 ; R6.2 C7.1@3905.71,3223.39 ; C7.1 3911.61,3223.39 C7.1@3905.71,3223.39
NetC10_1: C10.1 R9.2 R10.1 U3.5 | length 714.8
  Top Layer w15.75: U3.5 3647.01,3710 3676.69,3680.32 3676.69,3466.69 3654.04,3444.04 3626.21,3444.04 R9.2 3609.64,3433.39 3571.1,3394.84 3571.1,3248 3594.09,3225 3700,3225 C10.1
NetC11_1: C11.1 R11.1 R12.2 U3.6 | length 700
  Top Layer w15.75: R11.1 3495,3337.55 3495.36,3337.91 3495.36,3343.82 R12.2@3508.16,3356.61 ; R12.2 R12.2@3508.16,3356.61 ; U3.6 3555,3660 3367.6,3472.6 3367.6,3399.41 3378.07,3388.94 3379.72,3388.94 3409.09,3359.57 C11.1 3417.95,3356.61 R12.2@3508.16,3356.61
NetC12_2: C12.2 R15.1 U5.7 | length 639.9
  Top Layer w15.75: U5.7 3134.02,3610 3104.33,3580.32 3104.33,3194.06 3116.3,3182.09 3116.3,3176.18 3129.09,3163.39 3257.05,3163.39 C12.2
NetC13_1: C13.1 R21.1 U5.6 | length 257.5
  Top Layer w15.75: R21.1 C13.1 3005.91,3635 3030.91,3660 U5.6
NetD2_1: D2.1 L1.2 | length 336.9
  Top Layer w15.75: D2.1 2522.27,2825 2544.91,2802.36 2544.91,2780.09 2575,2750 2728.43,2750 2765.12,2713.31 2765.12,2705.75 L1.2
NetJ1_2: J1.2 U2.25 | length 184.4
  Top Layer w15.75: U2.25 3704.84,3919.84 3754.84,3919.84 J1.2
NetLED1_1: LED1.1 R13.1 | length 222.7
  Top Layer w15.75: R13.1 4702.52,4237.15 4745.36,4280 LED1.1
NetLED1_3: LED1.3 R14.1 | length 321.9
  Top Layer w15.75: R14.1 4545,4415 4610,4480 LED1.3
NetQ1_1: Q1.1 R16.2 R18.1 | length 206
  Top Layer w10: Q1.1@4213.39,4222.4 Q1.1
  Top Layer w15.75: R16.2 4118.39,4222.4 R18.1 4125.98,4222.4 Q1.1@4213.39,4222.4
NetQ1_3: Q1.3 R13.2 | length 193.3
  Top Layer w15.75: Q1.3 4421.98,4185 4468.23,4231.25 R13.2
NetQ2_1: Q2.1 R17.2 R19.1 | length 193.2
  Top Layer w15.75: R19.1 R17.2 4127.6,4407.4 Q2.1
NetQ2_3: Q2.3 R14.2 | length 189.3
  Top Layer w15.75: Q2.3 4429.13,4370 4468.23,4330.91 R14.2
NetR1_2: R1.2 U1.5 | length 261.9
  Top Layer w15.75: U1.5 3663.85,2610 3667.49,2606.36 3667.49,2598.78 3679.15,2587.13 3780.78,2587.13 3790,2596.35 R1.2
NetR2_1: R2.1 R3.2 U1.4 | length 790.3
  Top Layer w15.75: U1.4 3445.51,2570.6 3454.74,2561.38 3825.22,2561.38 3834.45,2570.6 3834.45,2729.45 3859.62,2754.62 3891.23,2754.62 R2.1 ; R2.1@3894.1,2763.39 R3.2
NetR4_2: R4.2 U3.1 U3.2 | length 188.5
  Top Layer w15.75: U3.2 U3.1 3814.88,3560 3818.52,3556.36 R4.2
NetR7_1: R7.1 U2.3 | length 180.4
  Top Layer w15.75: R7.1 2921.26,4531.61 2983.04,4469.84 3015.87,4469.84 U2.3
NetR8_2: R8.2 R9.1 S1.1 S2.1 | length 1594.5
  Top Layer w15.75: R9.1 R8.2 3717.03,3314.73 3732.07,3299.7 v2(3732.07,3290.43) ; v2(4155,3225) 4155,3803.78 4221.22,3870 S1.1 4237.2,3867.8 4510.94,3867.8 S2.1@4513.15,3865.59
  Bottom Layer w15.75: v2(3732.07,3290.43) 3732.07,3282.93 3790,3225 v2(4155,3225)
PGND: C2.2 L3.1 P1.2 | length 472.7
  Top Layer w15.75: P1.2 2273.94,2680 2344.37,2609.57 C2.2 2594.57,2600 L3.1
RS485_5V: 1.3 1.4 1.5 1.6 1.13 1.14 1.15 1.16 D7.1 | length 1494.1
  Top Layer w15.75: 1.5 1.3 ; 1.16 2677.45,3147.55 2864.69,3147.55 2952.24,3060 D7.1 ; 1.6 1.4
  Bottom Layer w15.75: 1.5 2550.43,3774.57 ; 1.14 1.16 2556.18,3268.82 2506.18,3268.82 1.15 1.13 2550.43,3415.43 2550.43,3774.57 ; 1.6 2555,3770 2550.43,3774.57
RS485_A: 1.1 1.11 D6.2 R20.1 R21.2 | length 1431.8
  Top Layer w15.75: 1.1 2459.57,3974.57 2459.57,3500.43 2477.06,3482.94 2481.4,3482.94 2494.35,3470 1.11 2505,3459.35 2517.94,3446.4 2517.94,3442.06 2585.43,3374.57 2693.35,3374.57 2693.78,3375 R20.1 2816.61,3315 ; D6.2 2839.25,3247.5 2816.61,3270.14 2816.61,3315 ; R21.2 3002.2,3476.61 3015,3463.82 3015,3369.37 2960.63,3315 2816.61,3315
RS485_B: 1.2 1.12 D5.2 R15.2 R20.2 | length 1773.1
  Top Layer w15.75: 1.12 2605,3520 2644.02,3559.02 D5.2 2855,3543.27 2893.39,3504.88 R20.2 v2(2960,3375) ; v2(3135,3010) R15.2
  Bottom Layer w10: 1.12 2647.56,3462.56 2647.56,3927.44 1.2
  Bottom Layer w15.75: v2(2960,3375) 3030,3375 3135,3270 v2(3135,3010)
RS485_EN: U2.36 U5.2 U5.3 | length 1539.2
  Top Layer w15.75: U5.2 U5.3 3405,3660 3415.67,3670.67 3415.67,3721.18 3434.17,3739.68 3764.68,3739.68 3930,3905 3930,4420 3870.63,4479.37 3746.73,4479.37 3741.77,4474.41 3731.06,4474.41 3716.65,4460 U2.36
RXD0: P2.3 U2.34 U5.1 | length 1314
  Top Layer w15.75: U5.1 3322.99,3560 3293.31,3589.68 3293.31,3722.3 3362.19,3791.18 3588.27,3791.18 3620.95,3823.86 3620.95,4318.31 3652.79,4350.16 3685.16,4350.16 U2.34 3798.22,4360 3828.22,4330 P2.3
SW1: RA1.1 SW1.8 U2.10 | length 939.7
  Top Layer w15.75: SW1.8 2533.47,4656.53 2533.47,4641.53 2652.05,4522.95 2652.05,4503.15 2652.96,4502.24 2666.91,4502.24 2667.82,4503.15 2667.82,4521.72 2700.82,4554.72 2765.95,4554.72 2820,4500.68 2820,4283.34 2983.5,4119.84 3015.87,4119.84 U2.10
SW2: RA1.2 SW1.7 U2.11 | length 919.5
  Top Layer w15.75: SW1.7 2525,4570 2623.88,4471.12 2656.24,4471.12 RA1.2 2685.78,4470.75 2695,4479.97 2695,4512.49 2711.49,4528.98 2755.29,4528.98 2788.99,4495.28 2788.99,4264.36 2983.5,4069.84 3015.87,4069.84 U2.11
SW3: RA1.3 SW1.6 U2.12 | length 779.1
  Top Layer w15.75: SW1.6 2579.97,4470 2610.72,4439.25 2686.6,4439.25 2695.83,4430.03 2695.83,4288.54 2964.52,4019.84 3015.87,4019.84 U2.12
SW4: RA1.4 SW1.5 U2.13 | length 807.4
  Top Layer w15.75: SW1.5 2525.32,4370 2563.08,4407.76 RA1.4 2656.61,4236.04 2932.65,3960 U2.13
TXD0: P2.2 U2.35 U5.4 | length 1330.4
  Top Layer w15.75: U5.4 3409.92,3765.43 3725.43,3765.43 3893.31,3933.31 3893.31,4408.63 3878.66,4423.27 3841.73,4423.27 P2.2 3828.22,4430 3798.22,4400 3735.72,4400 3735.56,4400.16 3704.84,4400.16 U2.35
VIN: C2.1 D7.2 L1.1 P1.1 | length 1283.3
  Top Layer w15.75: L1.1 2594.57,2690 C2.1 2339.57,2680.43 2323.31,2696.69 2323.31,2700.45 2286.69,2737.07 2286.69,2763.31 P1.1 2287.31,2797.31 2287.31,2822.31 2345,2880 2795,2880 2842.01,2927.01 D7.2
VIN_FIL: C3.1 C4.1 D2.2 R1.1 U1.7 | length 2511.5
  Top Layer w15.75: D2.2 3037.5,2825 C3.1 3067.5,2855 v2(3305,2855) ; U1.7 3732.32,2710 3784.1,2761.77 R1.1 3790,2804.55 3799.23,2813.78 4056.62,2813.78 4076.22,2813.78 4135.28,2754.72 4281.62,2754.72 4292.09,2765.19 4292.09,2854.81 4278.82,2868.07 3888.07,2868.07 3861.89,2894.25 3820.75,2894.25 C4.1 v2(3705,2910)
  Bottom Layer w10: v2(3305,2855) 3360,2910 v2(3705,2910)
pads on no net: 1.HOLE H101.1 H102.1 H103.1 H104.1 S2.3 S2.4 U1.2 U1.3 U2.4 U2.5 U2.14 U2.16 U2.17 U2.18 U2.19 U2.20 U2.21 U2.22 U2.23 U2.24 U2.26 U2.27 U2.28 U2.29 U2.30 U2.31 U2.32 U2.33 U2.37 U3.8
copper on no net:
  other v1: 1891.69,2560.67 1978.31,2560.67 4781.69,2565.67 4868.31,2565.67 1830.67,2621.69 2039.33,2621.69 4720.67,2626.69 4929.33,2626.69 1830.67,2708.31 2039.33,2708.31 4720.67,2713.31 4929.33,2713.31 1891.69,2769.33 1978.31,2769.33 4781.69,2774.33 4868.31,2774.33 1894.19,4608.17 1980.81,4608.17 4781.69,4610.67 4868.31,4610.67 1833.17,4669.19 2041.83,4669.19 4720.67,4671.69 4929.33,4671.69 1833.17,4755.81 2041.83,4755.81 4720.67,4758.31 4929.33,4758.31 1894.19,4816.83 1980.81,4816.83 4781.69,4819.33 4868.31,4819.33

## Polygon pours and split planes (outlines as drawn)
GND on Top Layer "GND_L01_P000" (solid, pour order 0): 2320,4875.01 2320,2505 4825,2505 ccw(c4825,2665) 4985,2665 4985,4715.64 ccw(c4827.49,4715.65) 4910.13,4849.74 ccw(c4823.53,4709.23) 4821.69,4874.27 ccw(c4821.91,4818.5) 4820.77,4874.26
GND on Top Layer "GND_L01_P002" (solid, pour order 2): 2320,4875.01 1775,4875.01 1775,2515 2320,2505 2320,3005 2255,3005 cw(c2255,3070) 2190,3070 cw(c2255,3070) 2255,3135 2320,3135 2320,4005 2255,4005 cw(c2255,4070) 2190,4070 cw(c2255,4070) 2255,4135 2320,4135
GND on Bottom Layer "GND_L02_P005" (solid, pour order 5): 4985,4875 4985,2505 2320,2505 2320,3005 2190,3005 2190,3135 2320,3135 2320,4005 2271.79,4005 ccw(c2240.4,4083.51) 2320,4055 cw(c2322.02,4056.23) 2319.68,4056.59 ccw(c2283.04,4062.27) 2319.93,4065.95 ccw(c2253.84,4069.03) 2275.47,4131.56 ccw(c2235.27,3954.89) 2255,4135 2290,4135 2320,4135 2320,4875
GND on Bottom Layer "GND_L02_P006" (solid, pour order 6): 2320,4875 2320,4135 2195,4135 2190,4135 2190,4005 2320,4005 2320,2505 1930.35,2505 cw(c1930.34,2656.11) 1779.23,2655.79 1774.89,4709.93 cw(c1939.8,4710.09) 1939.8,4875

## Keep-outs
Keep-Out Layer:
  the board outline again, w10

## Text inside footprints (layer, text, board x,y; h text height)
U2: Mechanical 13 "ANTENNA" at 3124.13,4707.24 h70